# Altium PCB PCB.PcbDoc
Units mil, origin at the board's own origin, x right, y up, seen from the top; angles counter-clockwise.
Board outline 1574.8 x 1602 mil, 2 copper layers (Top Layer, Bottom Layer); 46 components, 56 nets, 198 pads, 96 vias.
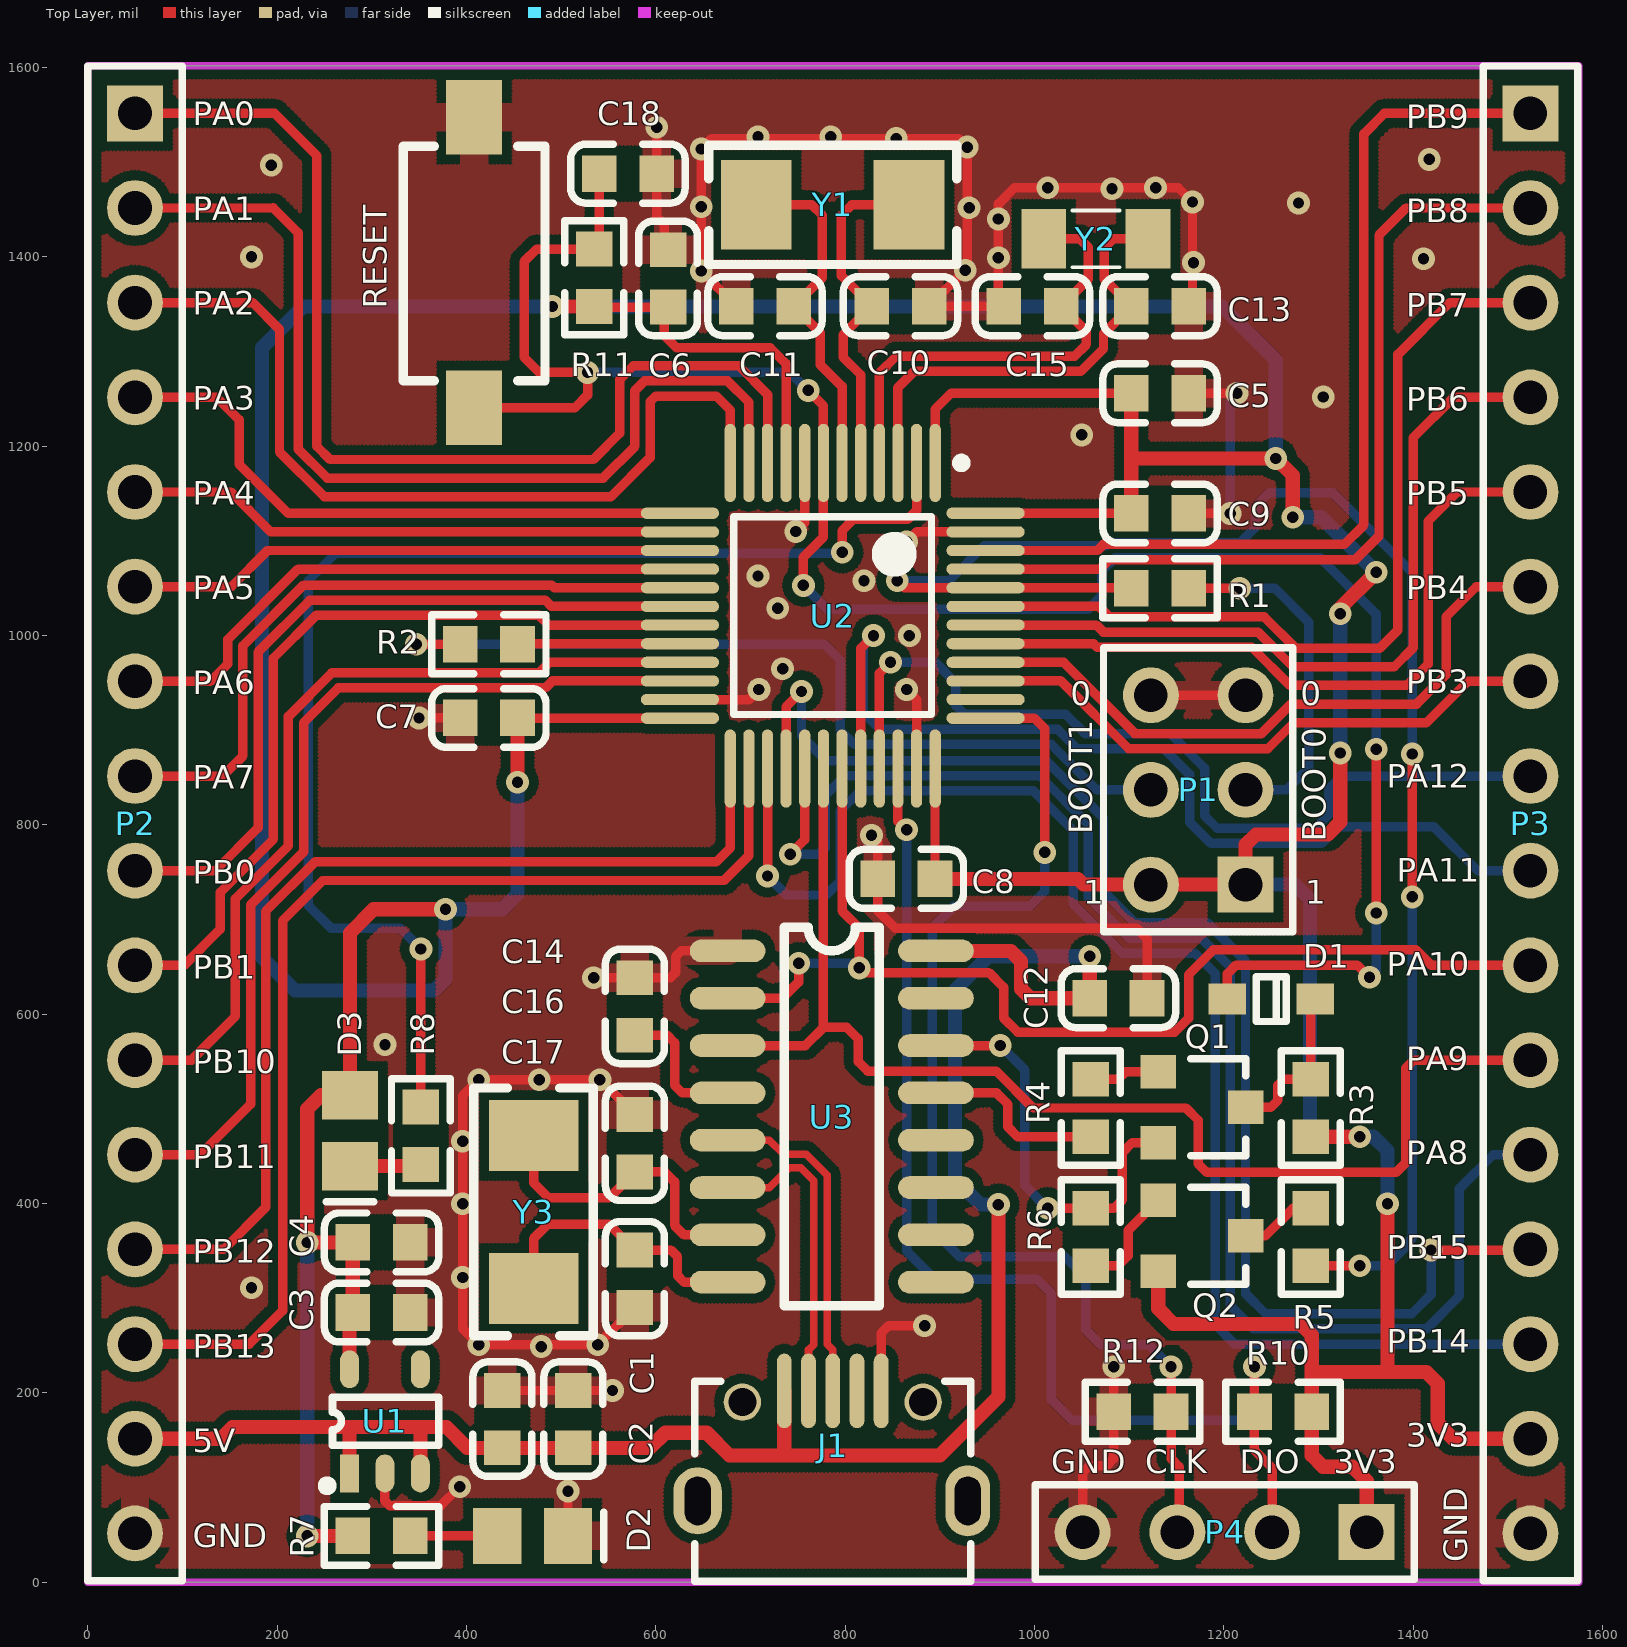
[diagram p0: Top Layer view]
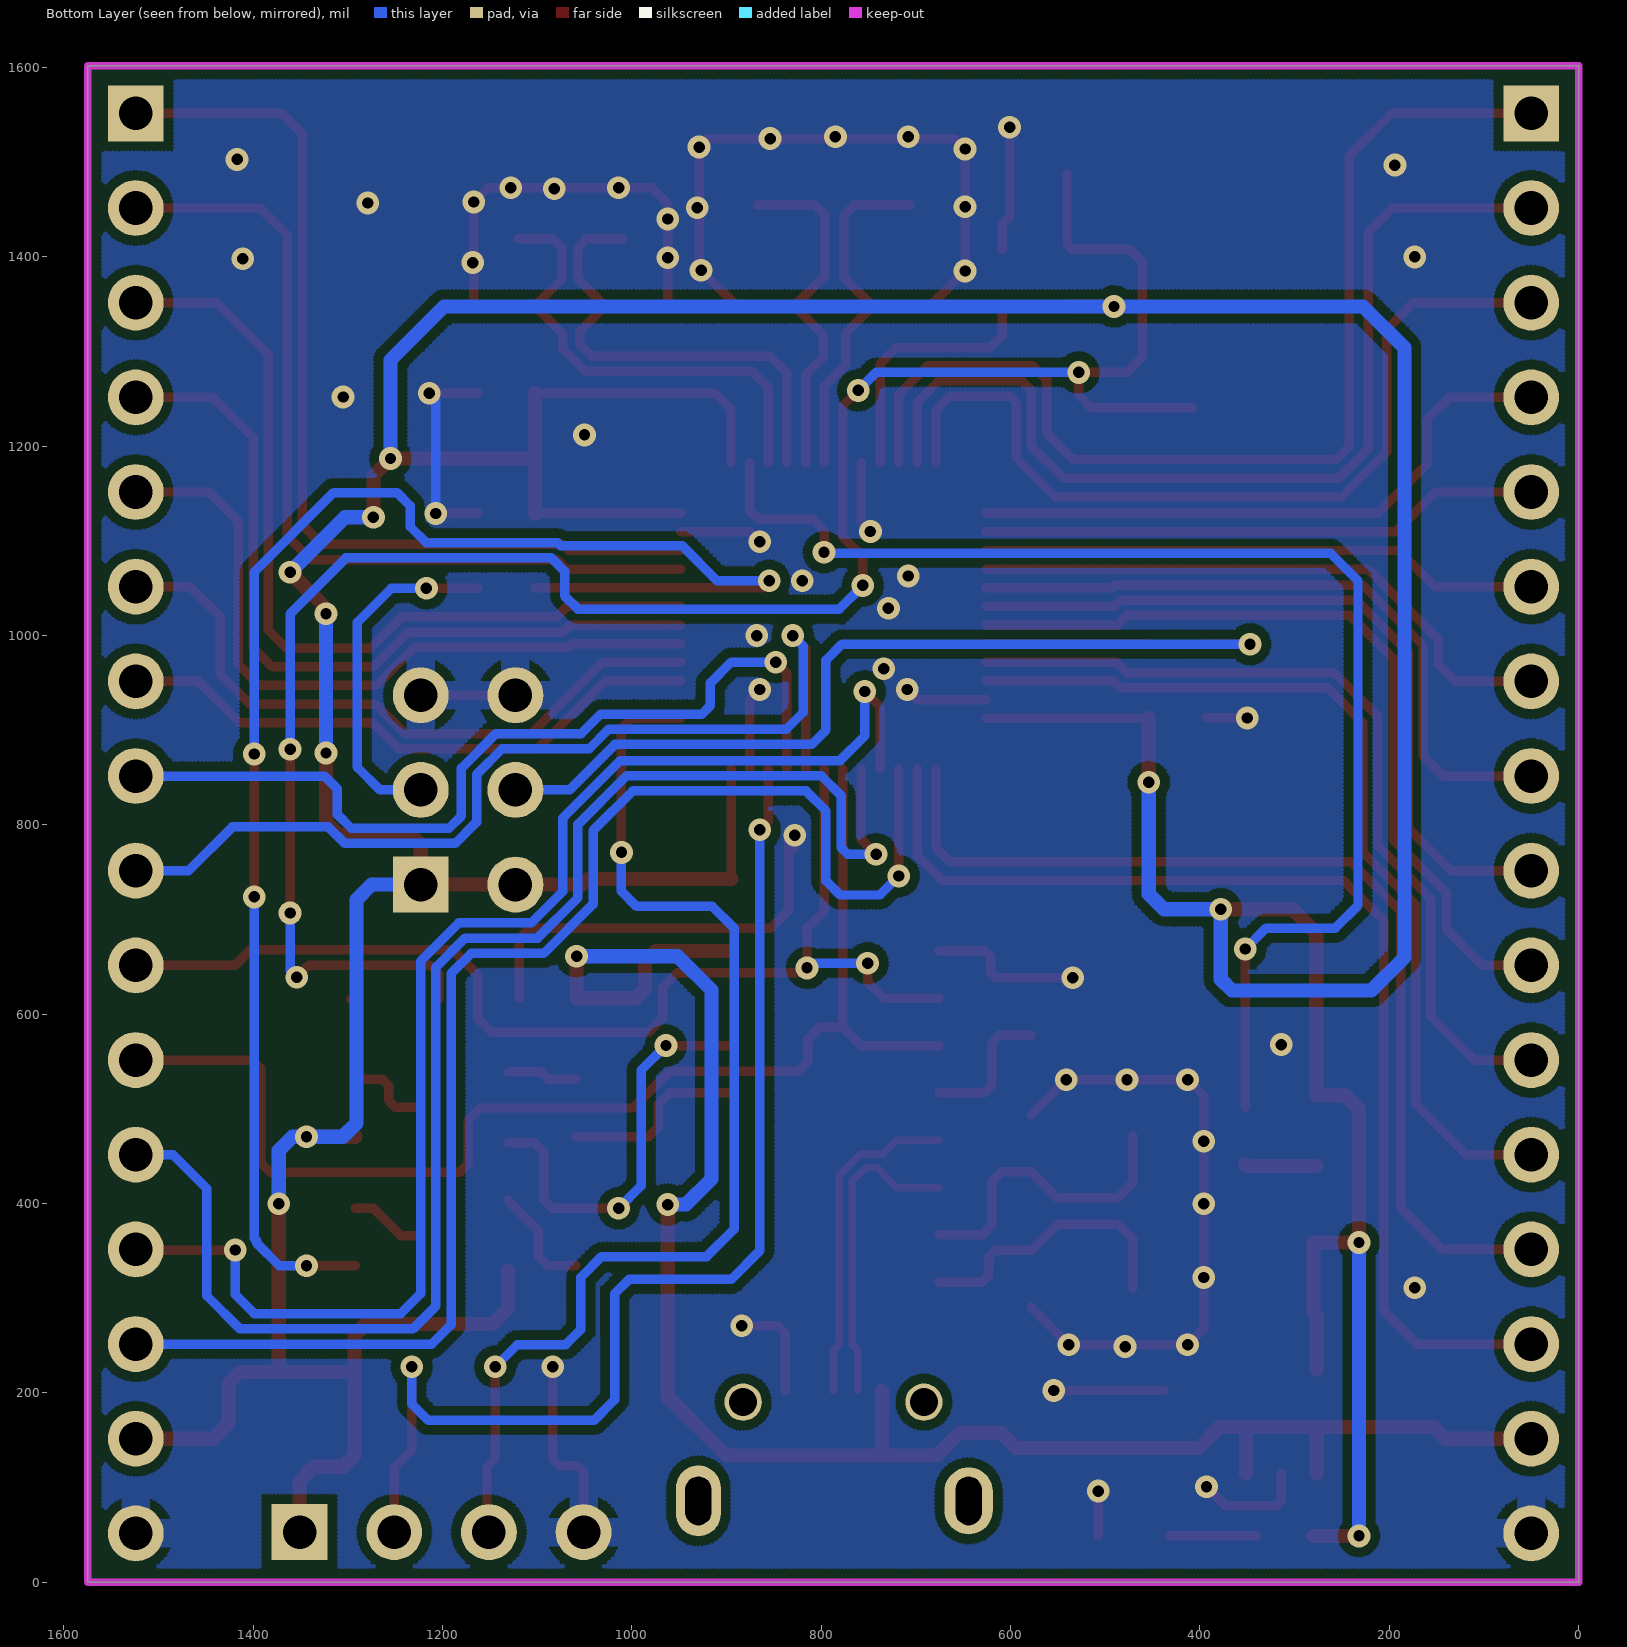
[diagram p1: Bottom Layer view, seen from below]
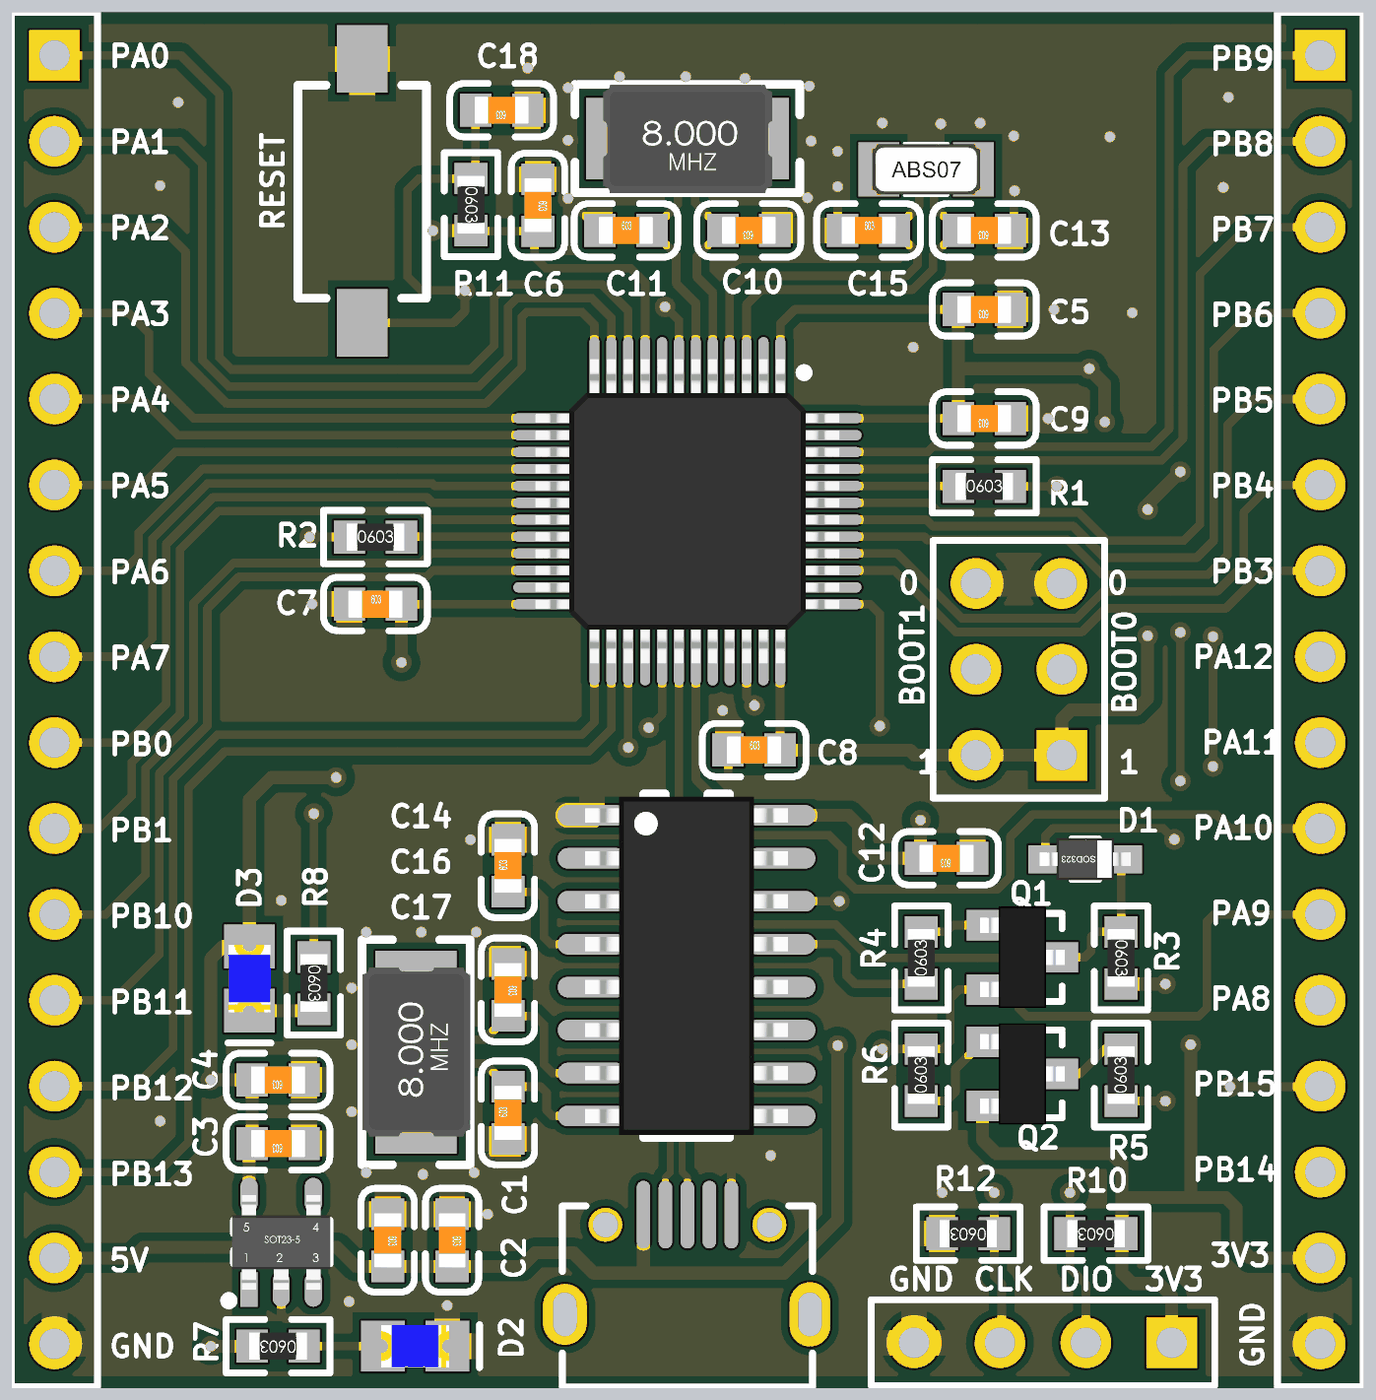
[diagram p2: 3D render of the assembled board from above, using the file's embedded part models]

## Layer stack, top to bottom
Top Solder: solder mask 0.4, Solder Resist, Dk 3.5
Top Layer: signal copper 1.4
Dielectric 1: dielectric 12.6, FR-4, Dk 4.8
Bottom Layer: signal copper 1.4
Bottom Solder: solder mask 0.4, Solder Resist, Dk 3.5

## Board outline
0,0 0,1602 1574.8,1602 1574.8,0

## Design rules (kind name [scope] priority, off if disabled: settings)
Clearance [(IsTrack) vs (IsTrack)] p1 off: gap=12
Clearance POLY [InPolygon] p2: gap=10
Clearance VIA-POLY [ISVIA vs InPolygon] p3: gap=6
Clearance all [All] p4: gap=6
DiffPairsRouting DiffPair_90DiffPairsRouting [InDifferentialPairClass('90OM')] p1: maxlimit=7 minlimit=7 mostfreqgap=7 toplayer_minwidth=6 toplayer_maxwidth=6 toplayer_prefwidth=6 bottomlayer_minwidth=6 bottomlayer_maxwidth=6 bottomlayer_prefwidth=6 maxuncoupledlength=500
MatchedLengths DiffPair_90MatchedLengths [InDifferentialPair ('D_D')] p1: tolerance=1000 checknetsindiffpair=FALSE checkdiffpairvsdiffpair=TRUE checkxsignals=TRUE checkothers=TRUE
PolygonConnect PolygonConnect_1 [ISVIA] p1: connectstyle=Direct reliefconductorwidth=10 reliefentries=4 polygonreliefangle="90 Angle" airgapwidth=10
PolygonConnect [All] p2: connectstyle=Relief reliefconductorwidth=30 reliefentries=4 polygonreliefangle="90 Angle" airgapwidth=10
RoutingVias [All] p1: holewidth=12 width=24 viastyle="Through Hole" minholewidth=12 minwidth=24 maxholewidth=12 maxwidth=24
SilkToSilkClearance [All] p1: silktosilkclearance=2
SilkToSolderMaskClearance [IsPad] p1: minsilkscreentomaskgap=2 clearancetoexposedcopper=TRUE
SolderMaskExpansion [All] p1: expansion=2.5
Width PWR [InNetClass('PWR')] p1: maxlimit=60 minlimit=6 preferedwidth=15
Width [All] p2: maxlimit=45 minlimit=6 preferedwidth=6
27 further rules are at their usual default settings.

## Classes and differential pairs
net class PWR: 3V3 5V
differential pair USB: +D+ -D-

## Components (designator, comment, footprint, x,y, rotation, side; value= is the part's Value field where it differs from the comment)
C1 "Cap" 0603_C 513,172.32 r270 top
C2 "Cap" 0603_C 438,172.32 r270 top
C3 "Cap" 0603_C 310.37,285 r180 top
C4 "Cap" 0603_C 310.37,359 r180 top
C5 "Cap" 0603_C 1132.69,1256 r180 top
C6 "Cap" 0603_C 613,1377.33 r270 top
C7 "Cap" 0603_C 423.68,913 r0 top
C8 "Cap" 0603_C 864.69,743 r0 top
C9 "Cap" 0603_C 1132.69,1129 r180 top
C10 "Cap" 0603_C 858.54,1348 r180 top
C11 "Cap" 0603_C 715.46,1348 r0 top
C12 "Cap" 0603_C 1088.69,617 r180 top
C13 "Cap" 0603_C 1132.69,1348 r180 top
C14 "Cap" 0603_C 578,608.32 r90 top
C15 "Cap" 0603_C 998,1348 r0 top
C16 "Cap" 0603_C 578,463.76 r270 top
C17 "Cap" 0603_C 578,320.68 r90 top
C18 "Cap" 0603_C 570.67,1487.95 r180 top
D1 "Diode" SOD-323 1250.27,616 r180 top
D2 "LED0" LED_0805_BLUE 469.95,49 r0 top
D3 "LED0" LED_0805_BLUE 277,477 r270 top
J1 "USB_M" USB 786,85 r0 top
P1 "Header 3*2" HDR3X2 1173,837 r90 top
P2 "Header 16" HDR16X1_A 50,801.68 r270 top
P3 "Header 16" HDR16X1_A 1524,801.68 r270 top
P4 "Header 4" HDR4X1_A 1201,53 r180 top
Q1 "SS8050" SOT-23 1177,501.68 r270 top
Q2 "SS8550" SOT-23 1177,365.99 r270 top
R1 "Res1" 0603_R 1132.68,1050 r0 top
R2 "Res1" 0603_R 423.69,991 r0 top
R3 "Res1" 0603_R 1292,501 r270 top
R4 "Res1" 0603_R 1059.35,501 r90 top
R5 "Res1" 0603_R 1292,364.68 r90 top
R6 "Res1" 0603_R 1059.35,364.68 r90 top
R7 "Res1" 0603_R 310.37,49 r180 top
R8 "Res1" 0603_R 352,471.69 r270 top
R10 "Res1" 0603_R 1262.76,180.04 r180 top
R11 "Res1" 0603_R 535,1378 r270 top
R12 "Res1" 0603_R 1114.02,180.04 r180 top
RESET "SW-PB" SW_PB2_A1 408.25,1394 r90 top (schematic designator S1)
U1 "ME6211" SOT23-5 314,170 r90 top
U2 "STM32F103C8T6" LQFP-48_M 787,1021 r270 top
U3 "CH340G" SOP-16 786,492 r0 top
Y1 "8M" 5032 787,1455 r180 top
Y2 "32.768K" 3215 1065,1419 r180 top
Y3 "12M" 5032 471,391.22 r270 top

## Footprints (in the part's own frame and the unit in brackets; to place one, negate y for a bottom-side part, rotate by r counter-clockwise, add the part's x,y. Pads: shape width x height; smd on the part's side, far side on the other; paste and mask are expansions set on the pad)
0603_C [mm] "电容"
  rect 0.93x0.98 smd: 1(-0.77,0) 2(0.77,0)
  silkscreen extent -1.53,-0.79 1.54,0.79, body extent -0.8,-0.4 0.8,0.4, height 0.3
0603_R [mm] "电阻"
  rect 0.93x0.98 smd: 1(-0.77,0) 2(0.77,0)
  silkscreen extent -1.53,-0.79 1.54,0.79, body extent -0.85,-0.4 0.85,0.4, height 0.56
3215 [mm] "晶振"
  rect 1.2x1.6 smd: 1(-1.4,0) 2(1.4,0)
  silkscreen extent -0.64,-0.76 0.64,0.76, body extent -1.61,-0.76 1.61,0.76, height 0.91
5032 [mm] "无源晶振5032"
  rect 1.9x2.4 smd: 1(-2.05,0) 2(2.05,0)
  silkscreen extent -3.32,-1.6 3.32,1.6, body extent -2.51,-1.59 2.49,1.61, height 1.2
HDR3X2 [mm]
  rect 1.5x1.5 hole 0.9: 1(-2.54,-1.27)
  round 1.5 hole 0.9: 2(-2.54,1.27) 3(0,-1.27) 4(0,1.27) 5(2.54,-1.27) 6(2.54,1.27)
  silkscreen extent -3.81,-2.54 3.81,2.54, body extent -3.81,-2.54 3.81,2.54, height 8.57
HDR4X1_A [mm] "Connector; Header; 4 Position"
  rect 1.5x1.5 hole 0.9: 1(-3.81,0)
  round 1.5 hole 0.9: 2(-1.27,0) 3(1.27,0) 4(3.81,0)
  silkscreen extent -5.08,-1.27 5.08,1.27, body extent -5.08,-1.27 5.08,1.27, height 8.57
HDR16X1_A [mm] "Connector; Header; 16 Position"
  rect 1.5x1.5 hole 0.9: 1(-19.05,0)
  round 1.5 hole 0.9: 2(-16.51,0) 3(-13.97,0) 4(-11.43,0) 5(-8.89,0) 6(-6.35,0) 7(-3.81,0) 8(-1.27,0) 9(1.27,0) 10(3.81,0) 11(6.35,0) 12(8.89,0) 13(11.43,0) 14(13.97,0) 15(16.51,0) 16(19.05,0)
  silkscreen extent -20.32,-1.27 20.32,1.27, body extent -20.32,-1.27 20.32,1.27, height 8.57
LED_0805_BLUE [mm] "贴片二极管（蓝色）"
  rect 1.3x1.5 smd: 1(-0.95,0) 2(0.95,0)
  silkscreen extent 1.91,-0.64 1.91,0.64, body extent -1,-0.63 1,0.62, height 1.1
LQFP-48_M [mm] "Thin QFP, 48-Leads, Body 7x7mm, Pitch 0.5mm, IPC Low Density"
  oval 2.1x0.3 smd: 1(-4.1,2.75) 2(-4.1,2.25) 3(-4.1,1.75) 4(-4.1,1.25) 5(-4.1,0.75) 6(-4.1,0.25) 7(-4.1,-0.25) 8(-4.1,-0.75) 9(-4.1,-1.25) 10(-4.1,-1.75) 11(-4.1,-2.25) 12(-4.1,-2.75) 25(4.1,-2.75) 26(4.1,-2.25) 27(4.1,-1.75) 28(4.1,-1.25) 29(4.1,-0.75) 30(4.1,-0.25) 31(4.1,0.25) 32(4.1,0.75) 33(4.1,1.25) 34(4.1,1.75) 35(4.1,2.25) 36(4.1,2.75)
  oval 0.3x2.1 smd: 13(-2.75,-4.1) 14(-2.25,-4.1) 15(-1.75,-4.1) 16(-1.25,-4.1) 17(-0.75,-4.1) 18(-0.25,-4.1) 19(0.25,-4.1) 20(0.75,-4.1) 21(1.25,-4.1) 22(1.75,-4.1) 23(2.25,-4.1) 24(2.75,-4.1) 37(2.75,4.1) 38(2.25,4.1) 39(1.75,4.1) 40(1.25,4.1) 41(0.75,4.1) 42(0.25,4.1) 43(-0.25,4.1) 44(-0.75,4.1) 45(-1.25,4.1) 46(-1.75,4.1) 47(-2.25,4.1) 48(-2.75,4.1)
  silkscreen extent -4.22,-2.65 2.65,3.57, body extent -4.5,-4.5 4.5,4.5, height 1.6
SOD-323 [mm] "SOD-323"
  rect 1x0.83 smd: 1(1.18,0) 2(-1.18,0)
  silkscreen extent -0.4,-0.6 0.4,0.6, body extent -1.35,-0.62 1.35,0.63, height 1.1
SOP-16 [mil] "SOP16"
  oval 80x24 smd: 1(-110,175) 2(-110,125) 3(-110,75) 4(-110,25) 5(-110,-25) 6(-110,-75) 7(-110,-125) 8(-110,-175) 9(110,-175) 10(110,-125) 11(110,-75) 12(110,-25) 13(110,25) 14(110,75) 15(110,125) 16(110,175)
  silkscreen extent -50,-200 50,200, body extent -118,-197 118,197, height 69
SOT23-5 [mil]
  rect 40x20 smd: 1(-55,37.4)
  oval 40x20 smd: 2(-55,0) 3(-55,-37.4) 4(55,-37.4) 5(55,37.4)
  silkscreen extent -73,-57 26,66, body extent -55,-57 55,57, height 43
SOT-23 [mm]
  rect 0.9x0.95 smd: 1(-0.95,-1.175) 2(0.95,-1.175) 3(0,1.175)
  silkscreen extent -1.3,-0.3 1.3,1.18, body extent -1.5,-1.25 1.5,1.25, height 1.08
SW_PB2_A1 [mm]
  rect 2x1.5 smd: 1(-3.9,0) 2(3.9,0)
  silkscreen extent -3.17,-1.9 3.13,1.9, body extent -3.96,-1.94 3.93,1.91, height 2.5
USB [mm] "USB"
  oval 1.3x1.8 hole 0.7 slot 1.3 at 90 deg: 0(-3.6,0.025)
  round 1 hole 0.75: 0(-2.4,2.675) 0(2.45,2.675)
  oval 1.2x1.9 hole 0.7 slot 1.3 at 90 deg: 0(3.65,0.025)
  oval 0.4x2 smd: 1(-1.275,2.975) 2(-0.625,2.975) 3(0.025,2.975) 4(0.675,2.975) 5(1.325,2.975)
  silkscreen extent -3.67,-2.12 3.73,3.24, body extent -4,-2.64 4.05,2.94, height 2.72

## Part data
C1 C2 C3 C4 C18: library part "0603 1uF (105) 10% 50V", "贴片电容"
C5 C6 C7 C8 C9 C10 C11 C12 C13 C14 C15 C16 C17: "无极性电容"
D1: "二极管"
D2 D3: "发光二极管"
J1: "MicroUSB接口"
P1 P4: "接插件"
P2 P3: "Header16贴片"
Q1: "NPN贴片三极管"
Q2: "PNP贴片三极管"
R1 R2 R3 R4 R5 R6 R7 R8 R10 R11 R12: "贴片电阻"
RESET: "微动开关"
U2: "STM32单片机48引脚"
U3: "串口芯片"
Y1 Y2 Y3: library part XTAL, "晶振"

## Via types
v1: diameter 24, hole 12, Top Layer to Bottom Layer, tented both sides, 96 vias

## Nets (pads, with @x,y where several pads share a name; then routed paths per layer and width w, separated by ;. In a path a pad name is that pad's centre, name@x,y a point inside that pad or via, vN(x,y) a via of type N, cw(c..) or ccw(c..) an arc to the next point about the centre after c; other vN are vias at no path point)
3V3: C3.2 C4.2 C5.2 C6.2 C7.2 C8.2 C9.2 D3.1 P1.1 P1.2 P3.15 P4.1 Q2.2 R3.2 R7.2 R10.1 R11.2 U1.5 U2.1 U2.9 U2.24 U2.36 U2.48 | length 7202.6
  Top Layer w10: C7.2 454.27,912.73 U2.24 ; R11.2 535.67,1347.02 609,1347.02 609,1317 622,1304 721,1304 737.79,1287.21 U2.9 ; C8.2 895,859.32 U2.36 ; U2.1 895.27,1239.27 912,1256 C5.2 ; U2.48 948.69,1129 C9.2
  Top Layer w15: v1(232,49) R7.2 ; U1.5 276.6,281.54 C3.2 C4.2 v1(232,359) 232,500 246.4,514.4 D3.1 277,686 302,711 v1(378,711) ; v1(454,845) C7.2 ; v1(490.68,1347.68) R11.2 ; C8.2 1046,743 1052,737 P1.2 P1.1 1223,779 1234,790 1310,790 1323,803 v1(1323,876) ; C9.2 1102.37,1187 ; C5.2 1102.37,1187 ; Q2.2 1130.74,289.26 1147,273 1281,273 1293.07,260.93 1293.07,222.07 ; v1(1273,1125) 1273,1169 v1(1255,1187) 1102.37,1187 ; R3.2 v1(1343.63,470.68) ; v1(1323,1023) 1323,1029 v1(1361,1067) ; P4.1 1351,107 1336,122 1305,122 1293.07,133.93 R10.1 1293.07,222.07 ; v1(1373,400) 1373,222.07 ; P3.15 1442.32,151.68 1426,168 1426,210 1413.93,222.07 1373,222.07 ; 1293.07,222.07 1373,222.07
  Bottom Layer w15: v1(232,49) v1(232,359) ; v1(454,845) 454,727 438,711 v1(378,711) 378,637 366,625 219,625 184,660 184,1304 227.68,1347.68 v1(490.68,1347.68) 1198.32,1347.68 1255,1291 v1(1255,1187) ; P1.1 1275,737 1291,721 1291,485 1305.31,470.68 v1(1343.63,470.68) 1358.31,470.68 1373,456 v1(1373,400) ; v1(1273,1125) 1303,1125 v1(1361,1067) ; v1(1323,876) v1(1323,1023)
5V: C1.2 C2.2 C12.2 J1.1 P2.15 U1.1 U1.3 U3.16 | length 1997
  Top Layer w15: P2.15 140.68,151.68 153,164 277,164 ; U1.1 276.6,163.6 277,164 ; U1.3 351.4,163.4 352,164 ; J1.1 735.82,135.18 737,134 ; U3.16 975,667 986,656 986,627 996,617 C12.2 v1(1058.37,661.37) ; v1(962,399) 962,196 900,134 737,134 ; 277,164 352,164 ; 352,164 379,164 401,142 C2.2 C1.2 594,142 610,158 654,158 678,134 737,134
  Bottom Layer w15: v1(962,399) 943,399 916,426 916,625.74 951.63,661.37 v1(1058.37,661.37)
BOOT0: R1.1 R5.1 U2.44 | length 1704.9
  Top Layer w10: v1(855,1058) 862.47,1050.53 U2.44 1101.84,1050.53 R1.1 ; R5.1 v1(1343.63,334.37) ; v1(1399,724) v1(1399,875)
  Bottom Layer w10: v1(855,1058) 910,1058 947,1095 1075.37,1095 1078.37,1098 1217,1098 1234,1115 1234,1137 1248,1151 1315,1151 1399,1067 v1(1399,875) ; v1(1343.63,334.37) 1372.37,334.37 1396,358 1396,360.53 1399,363.53 v1(1399,724)
BOOT1: R2.2 U2.20 | length 171.8
  Top Layer w10: R2.2 454.47,991.47 U2.20
CLK: P4.3 R12.1 U2.37 | length 1215.9
  Top Layer w10: U2.37 1000,912.73 1011,901.73 v1(1011,771) ; v1(1144.33,227.7) R12.1 1144.33,130.67 1153,122 1153,55 P4.3
  Bottom Layer w10: v1(1011,771) 1011,730 995,714 915,714 892,691 892,373 921,344 1032,344 1054,322 1054,267 1070,251 1121.03,251 v1(1144.33,227.7)
D+: J1.3 U3.5 | length 350.6
  Top Layer w8: U3.5 720,467 735,452 758.8,452 781,429.8 781,251.51 787,245.51 J1.3
D-: J1.2 U3.6 | length 329.7
  Top Layer w8: U3.6 720,417 741,438 753,438 767,424 767,251.1 761.41,245.51 J1.2
DIO: P4.2 R10.2 U2.34 | length 1249.4
  Top Layer w10: U2.34 855.9,804.1 v1(865,795) ; v1(1232.44,227.7) R10.2 1232.44,139.56 1251,121 P4.2
  Bottom Layer w10: v1(865,795) 865,350 895,320 1003,320 1018,305 1018,193 1040,171 1215,171 1232.44,188.44 v1(1232.44,227.7)
GND: C1.1 C2.1 C3.1 C4.1 C5.1 C6.1 C7.1 C8.1 C9.1 C10.1 C11.1 C12.1 C13.1 C14.2 C15.1 C16.1 C17.1 C18.1 D2.2 J1.5 P1.5 P1.6 P2.16 P3.16 P4.4 R12.2 RESET.2 U1.2 U2.8 U2.23 U2.35 U2.47 U3.1 | length 3880.6
  Top Layer w10: U1.2 314,86 319,81 373,81 v1(393,101) ; v1(350,913) C7.1 ; C2.1 C1.1 v1(554.37,202.63) ; D2.2 v1(507.35,96.36) ; v1(534.37,638.63) C14.2 615.63,638.63 621,644 621,661 627,667 U3.1 ; C17.1 v1(538.63,251) v1(413,251) 396,268 v1(396,322) v1(396,400) v1(396,466) 396,514 v1(413,531) v1(477.04,531) v1(541.07,531) C16.1 ; v1(600.98,1537.02) C18.1 600.98,1442.02 609,1434 C6.1@609,1407.65 ; U2.23 698.42,932.42 v1(709,943) ; C11.1 v1(648,1385.15) v1(648,1453) v1(648,1514) 659,1525 v1(854,1525) 920,1525 v1(929,1516) 929,1388.15 v1(926.85,1386) C10.1 C15.1 962,1353.68 v1(962,1399) v1(962,1440) 962,1456 979,1473 v1(1014,1473) v1(1128,1473) 1152,1473 v1(1167,1458) 1167,1352 C13.1 ; v1(748,1110) 757.47,1119.47 U2.8 ; 828,775.37 v1(828,789) 834.37,782.63 C8.1 834.37,709.63 853,691 1108,691 1119,680 C12.1 ; J1.5 838.18,263.18 846,271 v1(884,271) ; v1(865,943) 875.58,932.42 U2.35 ; v1(865,1099) 875.58,1109.58 U2.47 ; P4.4 1051,116 1058,123 1076,123 1083.7,130.7 R12.2 v1(1083.7,227.7) ; P1.6 P1.5 ; C9.1 v1(1207,1129) ; C5.1 v1(1214,1256)
  Bottom Layer w10: v1(1207,1129) 1207,1249 v1(1214,1256)
  other v1: 479,249 173,311 314,568 734,965 868,1000 729,1029 820,1058 708,1063 1050,1212 1305,1252 1168,1394 1411,1398 173,1400 931,1452 1279,1457 1082,1472 194,1497 1417,1503 708,1527 785,1527
NetC14_1: C14.1 U3.4 | length 149.6
  Top Layer w10: C14.1 612,578 620,570 620,525 628,517 U3.4
NetC16_2: C16.2 U3.7 Y3.1 | length 327.4
  Top Layer w10: Y3.1 471,422 487,406 550.56,406 C16.2 609.56,433.44 620,423 620,377 630,367 U3.7
NetC17_2: C17.2 U3.8 Y3.2 | length 300.7
  Top Layer w10: Y3.2 471,363 486,378 551,378 C17.2 616,351 623,344 623,324 630,317 U3.8
NetD1_2: D1.2 Q1.3 R3.1 | length 177
  Top Layer w10: Q1.3 1249.68,501.68 1257,509 1257,525 1263.31,531.32 R3.1 1292,611.28 D1.2
NetD2_1: D2.1 R7.1 | length 91.9
  Top Layer w10: R7.1 D2.1
NetD3_2: D3.2 R8.2 | length 75.7
  Top Layer w15: D3.2 350.23,439.6 R8.2
NetP1_3: P1.3 R1.2 | length 371.9
  Top Layer w10: R1.2 v1(1217,1050)
  Bottom Layer w10: v1(1217,1050) 1254,1050 1290,1014 1290,861 1266,837 P1.3
NetP1_4: P1.4 R2.1 | length 929.5
  Top Layer w10: v1(347,991) R2.1
  Bottom Layer w10: v1(347,991) 778,991 795,974 795,900 810,885 1017.88,885 1065.88,837 P1.4
NetQ1_1: Q1.1 R4.2 | length 74.6
  Top Layer w10: R4.2 1088.32,531.32 1096.08,539.08 Q1.1
NetQ1_2: Q1.2 R6.2 U3.14 | length 435.4
  Top Layer w10: U3.14 v1(964,567) ; v1(1014,395) R6.2 1084,395 1093,404 1093,454 1103.28,464.28 Q1.2
  Bottom Layer w10: v1(964,567) 990,541 990,419 v1(1014,395)
NetQ2_1: Q2.1 R6.1 | length 115.6
  Top Layer w10: R6.1 1088.37,334.37 1099,345 1099,371.65 Q2.1
NetQ2_3: Q2.3 R5.2 | length 80.8
  Top Layer w10: Q2.3 1243.99,365.99 1273,395 R5.2
NetR4_1: R4.1 U3.13 | length 196.6
  Top Layer w10: U3.13 960,517 972,505 972,481 982.31,470.69 R4.1
NRST: C18.2 D1.1 R11.1 RESET.1 U2.7 | length 2198.2
  Top Layer w10: RESET.1 514.46,1240.46 528,1254 v1(528,1278) 477,1278 461,1294 461,1395 474.31,1408.31 R11.1 540.35,1413.67 C18.2 ; v1(756,1053) 756,1083 777.16,1104.16 U2.7 777.16,1242.84 v1(761,1259) ; D1.1 1203.81,642.81 1213,652 1341,652 v1(1354,639) ; v1(1361,707) v1(1361,880)
  Bottom Layer w10: v1(528,1278) 742,1278 v1(761,1259) ; v1(756,1053) 781,1028 1057,1028 1071,1042 1071,1068 1085,1082 1302,1082 1361,1023 v1(1361,880) ; v1(1354,639) 1361,646 v1(1361,707)
OSCIN: C10.2 U2.5 Y1.1 | length 371.4
  Top Layer w10: U2.5 816.53,1275.47 798,1294 798,1317.78 C10.2 796,1380.22 796,1444 807,1455 Y1.1
OSCOUT: C11.2 U2.6 Y1.2 | length 369.5
  Top Layer w10: Y1.2 765,1455 776,1444 776,1378.22 C11.2 774,1319.78 774,1286 796.84,1263.16 U2.6
PA0: P2.1 U2.10 | length 1158.5
  Top Layer w10: P2.1 197.32,1551.68 242,1507 242,1200 256,1186 534.16,1186 562,1213.84 562,1270.68 576.32,1285 687.68,1285 718.1,1254.58 U2.10
PA1: P2.2 U2.11 | length 1051.1
  Top Layer w10: P2.2 195.68,1451.68 195.92,1451.92 222.32,1425.52 222.32,1197.06 253.06,1166.32 544.4,1166.32 578,1199.92 578,1258.84 588.16,1269 675.84,1269 698.42,1246.42 U2.11
PA2: P2.3 U2.12 | length 930
  Top Layer w10: P2.3 174.32,1351.68 202.63,1323.37 202.63,1194.12 250.12,1146.63 552.63,1146.63 594,1188 594,1247 600,1253 664,1253 678.73,1238.27 U2.12
PA3: P2.4 U2.13 | length 653.8
  Top Layer w10: P2.4 136.32,1251.68 160,1228 160,1181 211.73,1129.27 U2.13
PA4: P2.5 U2.14 | length 593
  Top Layer w10: P2.5 151.32,1151.68 193.42,1109.58 U2.14
PA5: P2.6 U2.15 | length 591.4
  Top Layer w10: P2.6 151.68,1051.68 189.9,1089.9 U2.15
PA6: P2.7 U2.16 | length 639.8
  Top Layer w10: P2.7 129.68,951.68 148,970 148,995.88 222.33,1070.21 U2.16
PA7: P2.8 U2.17 | length 728.3
  Top Layer w10: P2.8 142.68,851.68 164,873 164,989.25 228.04,1053.29 490.12,1053.29 492.88,1050.53 U2.17
PA8: P3.12 U2.29 | length 1585.2
  Top Layer w10: v1(742,769) 757.47,784.47 U2.29
  Bottom Layer w10: v1(742,769) 772,769 779,776 779,831 800,852 1005.63,852 1057,800.63 1057,723.06 1099.59,680.47 1176.15,680.47 1207,649.63 1207,292 1231.32,267.68 1414,267.68 1449,302.68 1449,416 1484.68,451.68 P3.12
PA9: P3.11 U2.30 U3.3 | length 1341.5
  Top Layer w10: U3.3 758,567 777.16,586.16 ; U2.30 777.16,586.16 ; P3.11 1400.68,551.68 1392,543 1392,443 1382,433 1182,433 1173,442 1173,488 1160,501 998.63,501 959.63,540 824,540 814,550 814,574 801.84,586.16 777.16,586.16
PA10: P3.10 U2.31 U3.2 | length 1236.1
  Top Layer w10: U3.2 734,617 751,634 v1(751,654) ; U2.31 796.84,709.16 816,690 815,689 v1(815,649) 820,644 952,644 967.5,628.5 967.5,596.03 982.53,581 1148,581 1163,596 1163,642 1189,668 1403,668 1419.32,651.68 P3.10 P3.10@1507.68,668
  Bottom Layer w10: v1(751,654) 810,654 v1(815,649)
PA11: P3.9 U2.32 | length 1049.9
  Top Layer w10: U2.32 816.53,986.53 v1(830,1000)
  Bottom Layer w10: v1(830,1000) 819,989 819,919 837,901 1024.51,901 1045.04,880.47 1136.84,880.47 1164,853.31 1164,803 1186.53,780.47 1303.1,780.47 1320.63,798 1422,798 1468.32,751.68 P3.9
PA12: P3.8 U2.33 | length 948.2
  Top Layer w10: U2.33 836.21,960.21 v1(848,972)
  Bottom Layer w10: v1(848,972) 895,972 917,950 917,926 926,917 1033,917 1053.53,896.47 1143.47,896.47 1180,859.94 1180,809.63 1193.15,796.47 1296.47,796.47 1311,811 1311,838 1324.68,851.68 P3.8
PB0: P2.9 U2.18 | length 805.3
  Top Layer w10: P2.9 134.68,751.68 180,797 180,982.63 234.66,1037.29 483.49,1037.29 489.94,1030.84 U2.18
PB1: P2.10 U2.19 | length 867.6
  Top Layer w10: P2.10 101.68,651.68 140,690 140,728.72 196,784.72 196,976 241.29,1021.29 476.86,1021.29 487,1011.16 U2.19
PB3: P3.7 U2.39 | length 634.7
  Top Layer w10: U2.39 1027.96,952.1 1099.59,880.47 1246.41,880.47 1273.94,908 1414,908 1457.68,951.68 P3.7
PB4: P3.6 U2.40 | length 706.8
  Top Layer w10: U2.40 1030.9,971.79 1106.21,896.47 1239.79,896.47 1271,927.69 1403.69,927.69 1435,959 1435,1020 1466.68,1051.68 P3.6
PB5: P3.5 U2.41 | length 766.9
  Top Layer w10: U2.41 1062.49,991.47 1066.25,987.71 1229.61,987.71 1269.94,947.37 1393.37,947.37 1416,970 1416,1121 1446.68,1151.68 P3.5
PB6: P3.4 U2.42 | length 841.8
  Top Layer w10: U2.42 1065.43,1011.16 1072.88,1003.71 1236.23,1003.71 1272.89,967.06 1380.06,967.06 1400,987 1400,1209 1442.68,1251.68 P3.4
PB7: P3.3 U2.43 | length 915.6
  Top Layer w10: U2.43 1068.37,1030.84 1079.51,1019.71 1242.86,1019.71 1275.83,986.74 1365,986.74 1384,1005.74 1384,1297 1438.68,1351.68 P3.3
PB8: P3.2 U2.45 | length 919.8
  Top Layer w10: U2.45 1069.43,1070.21 1079.51,1080.29 1339.13,1080.29 1364,1105.16 1364,1423 1392.68,1451.68 P3.2
PB9: P3.1 U2.46 | length 1008.8
  Top Layer w10: U2.46 1066.49,1089.9 1072.88,1096.29 1327.29,1096.29 1348,1117 1348,1530 1369.68,1551.68 P3.1
PB10: P2.11 U2.21 | length 902.3
  Top Layer w10: P2.11 109.68,551.68 156,598 156,722.09 212,778.09 212,914.71 258,960.71 476.86,960.71 487.94,971.79 U2.21
PB11: P2.12 U2.22 | length 986.1
  Top Layer w10: P2.12 118.68,451.68 172,505 172,715.47 228,771.47 228,908 264.71,944.71 483.49,944.71 490.88,952.1 U2.22
PB12: P2.13 U2.25 | length 1071.5
  Top Layer w10: P2.13 143.68,351.68 188,396 188,708.84 240.16,761 664,761 678.73,775.73 U2.25
PB13: P2.14 U2.26 | length 1195.5
  Top Layer w10: P2.14 170.68,251.68 206,287 206,699 248.32,741.32 672.15,741.32 698.42,767.58 U2.26
PB14: P3.14 U2.27 | length 1521.5
  Top Layer w10: v1(718.1,746) U2.27
  Bottom Layer w10: v1(718.1,746) 738.1,726 780,726 795,741 795,815 816,836 999,836 1041,794 1041,716.43 1092.96,664.47 1169.53,664.47 1191,643 1191,272 1211.32,251.68 P3.14
PB15: P3.13 U2.28 | length 1464.8
  Top Layer w10: U2.28 737.79,924.79 v1(754,941) ; v1(1419,351) 1523.32,351 P3.13
  Bottom Layer w10: v1(754,941) 754,894 780,868 1012.25,868 1073,807.25 1073,729.69 1106.21,696.47 1182.78,696.47 1223,656.25 1223,305 1244.32,283.68 1398.68,283.68 1419,304 v1(1419,351)
PC13: R8.1 U2.2 | length 1385.1
  Top Layer w10: R8.1 v1(352,669) ; v1(797,1088) 797,1111 809,1123 866.37,1123 875.58,1132.21 U2.2
  Bottom Layer w10: v1(352,669) 330,691 257,691 233,715 233,1058 262,1087 796,1087 v1(797,1088)
PC14: C13.2 U2.3 Y2.1 | length 494.4
  Top Layer w10: U2.3 855.9,1261.9 873,1279 1049,1279 1073,1303 1073,1318.63 C13.2 1074,1376.37 1074,1410 1083,1419 Y2.1
PC15: C15.2 U2.4 Y2.2 | length 502.3
  Top Layer w10: U2.4 836.21,1277.21 854,1295 1042.37,1295 1055,1307.63 1055,1321.32 C15.2 1057,1376.68 1057,1410 1048,1419 Y2.2
pads on no net: J1.0 J1.4 U1.4 U2.38 U3.9 U3.10 U3.11 U3.12 U3.15

## Polygon pours and split planes (outlines as drawn)
GND on Bottom Layer "Top Layer-No Net" (hatched 90Degree grid 4 track 5, remove dead copper, pour order 2): 0,1602 1574.8,1602 1574.8,0 0,0
GND on Top Layer "Top Layer-No Net" (hatched 90Degree grid 4 track 5, remove dead copper, pour order 4): 0,1602 1574.8,1602 1574.8,0 0,0

## Keep-outs
Keep-Out Layer:
  the board outline again, w8

## Silkscreen, mask and mechanical layers (free items; w line width, h text height)
Top Overlay:
  text "PA0" at 111,1539 h25
  text "PB9" at 1393,1536 h25
  text "PA1" at 111,1438.87 h25
  text "PB8" at 1393,1436.5 h25
  text "PA2" at 111,1338.73 h25
  text "PB7" at 1393,1337 h25
  text "PA3" at 111,1238.6 h25
  text "PB6" at 1393,1237.5 h25
  text "PA4" at 111,1138.47 h25
  text "PB5" at 1393,1138 h25
  text "PB4" at 1393,1038.5 h25
  text "PA5" at 111,1038.33 h25
  text "0" at 1060,951 h25 r180
  text "0" at 1303,951 h25 r180
  text "PB3" at 1393,939 h25
  text "PA6" at 111,938.2 h25
  text "PA12" at 1372.17,839.5 h25
  text "PA7" at 111,838.07 h25
  text "BOOT1" at 1061,790.33 h25 r90
  text "BOOT0" at 1308,782 h25 r90
  text "PA11" at 1382.59,740 h25
  text "PB0" at 111,737.93 h25
  text "1" at 1051.67,717 h25
  text "1" at 1286.34,717 h25
  text "PA10" at 1372.17,640.5 h25
  text "PB1" at 111,637.8 h25
  text "PA9" at 1393,541 h25
  text "PB10" at 111,537.67 h25
  text "PA8" at 1393,441.5 h25
  text "PB11" at 111,437.53 h25
  text "PB15" at 1372.17,342 h25
  text "PB12" at 111,337.4 h25
  text "PB14" at 1372.17,242.5 h25
  text "PB13" at 111,237.27 h25
  text "3V3" at 1393,143 h25
  text "5V" at 111,137.13 h25
  text "GND" at 1018,115 h25
  text "CLK" at 1117.33,115 h25
  text "DIO" at 1216.67,115 h25
  text "3V3" at 1316,115 h25
  text "GND" at 111,37 h25
  text "GND" at 1457,21 h25 r90